# Altium PCB PCB1.PcbDoc
Units mm, origin at the board's own origin, x right, y up, seen from the top; angles counter-clockwise.
Board outline 68.58 x 53.34 mm, 2 copper layers (L1, L2), stack 1.671 mm thick; 106 components, 71 nets, 323 pads, 104 vias.
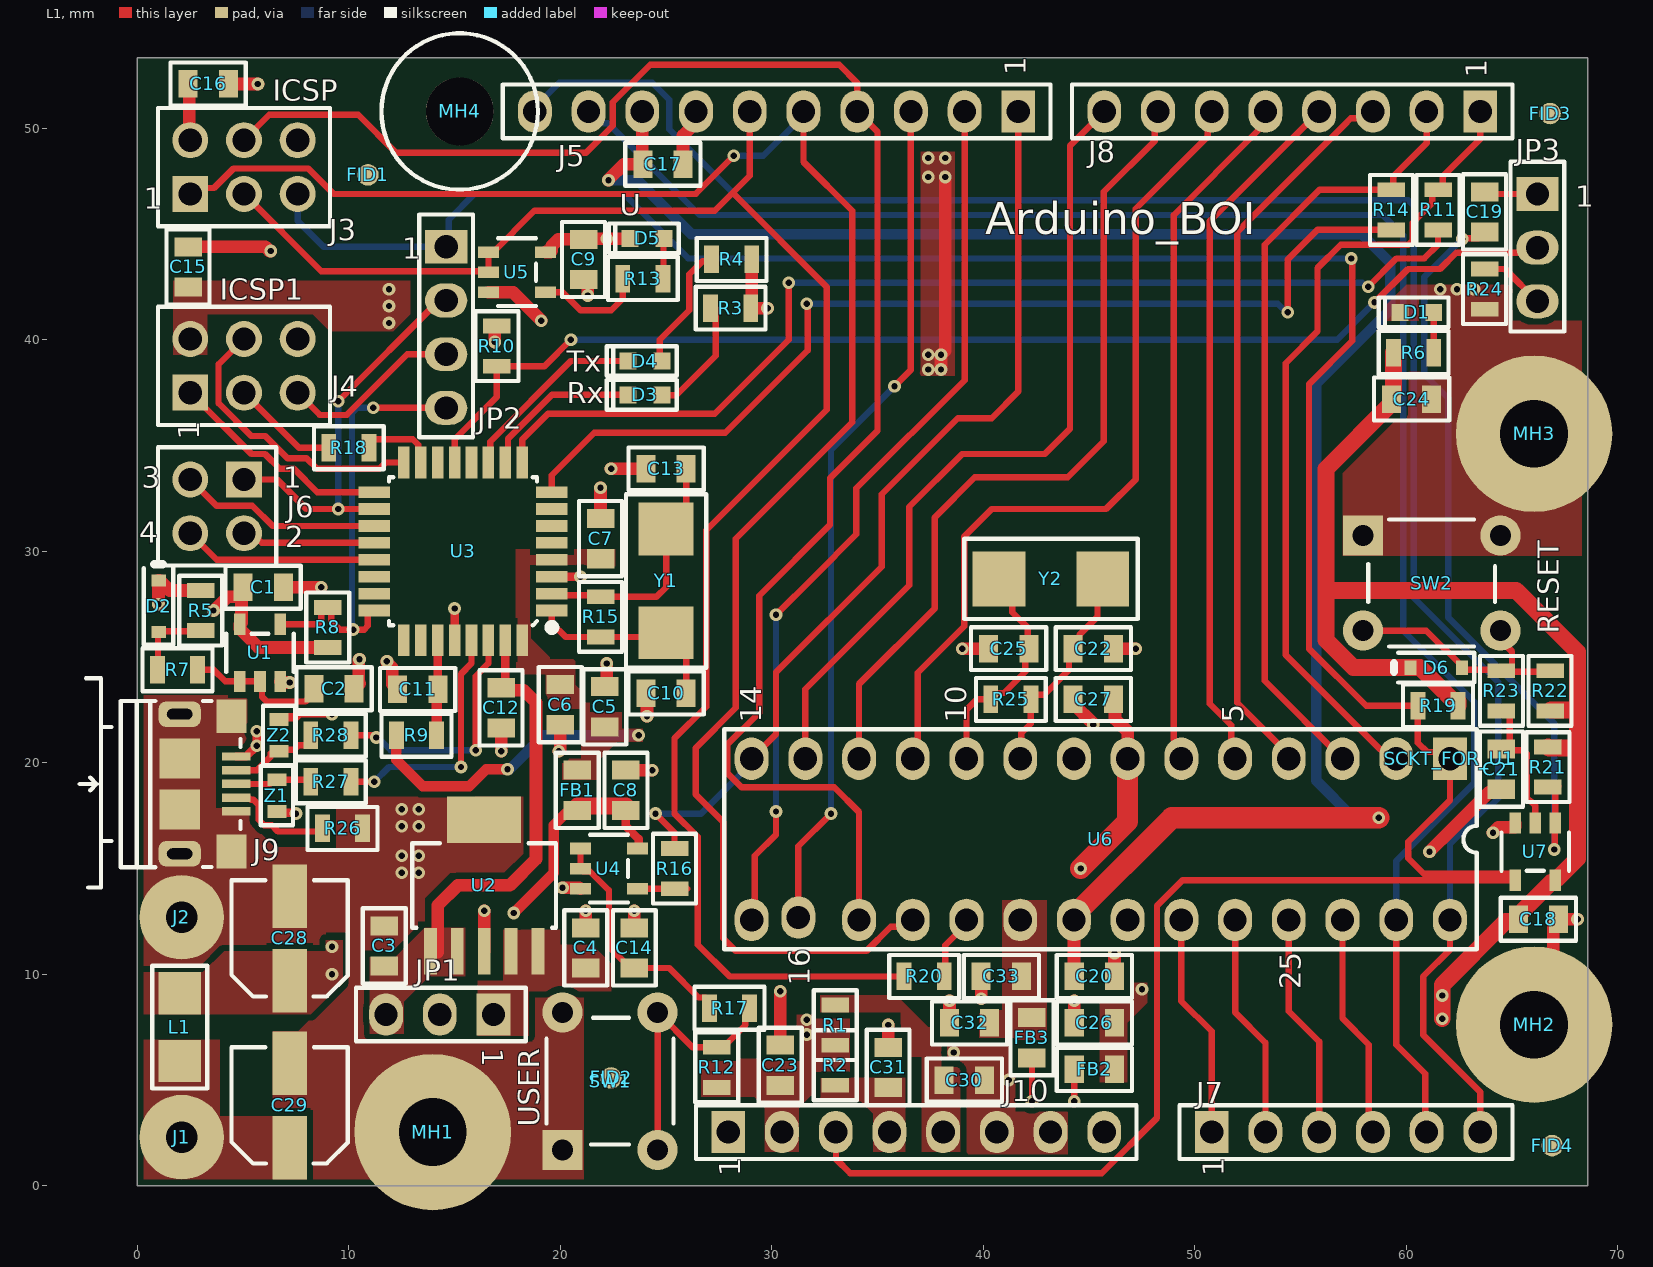
[diagram p0: L1 view]
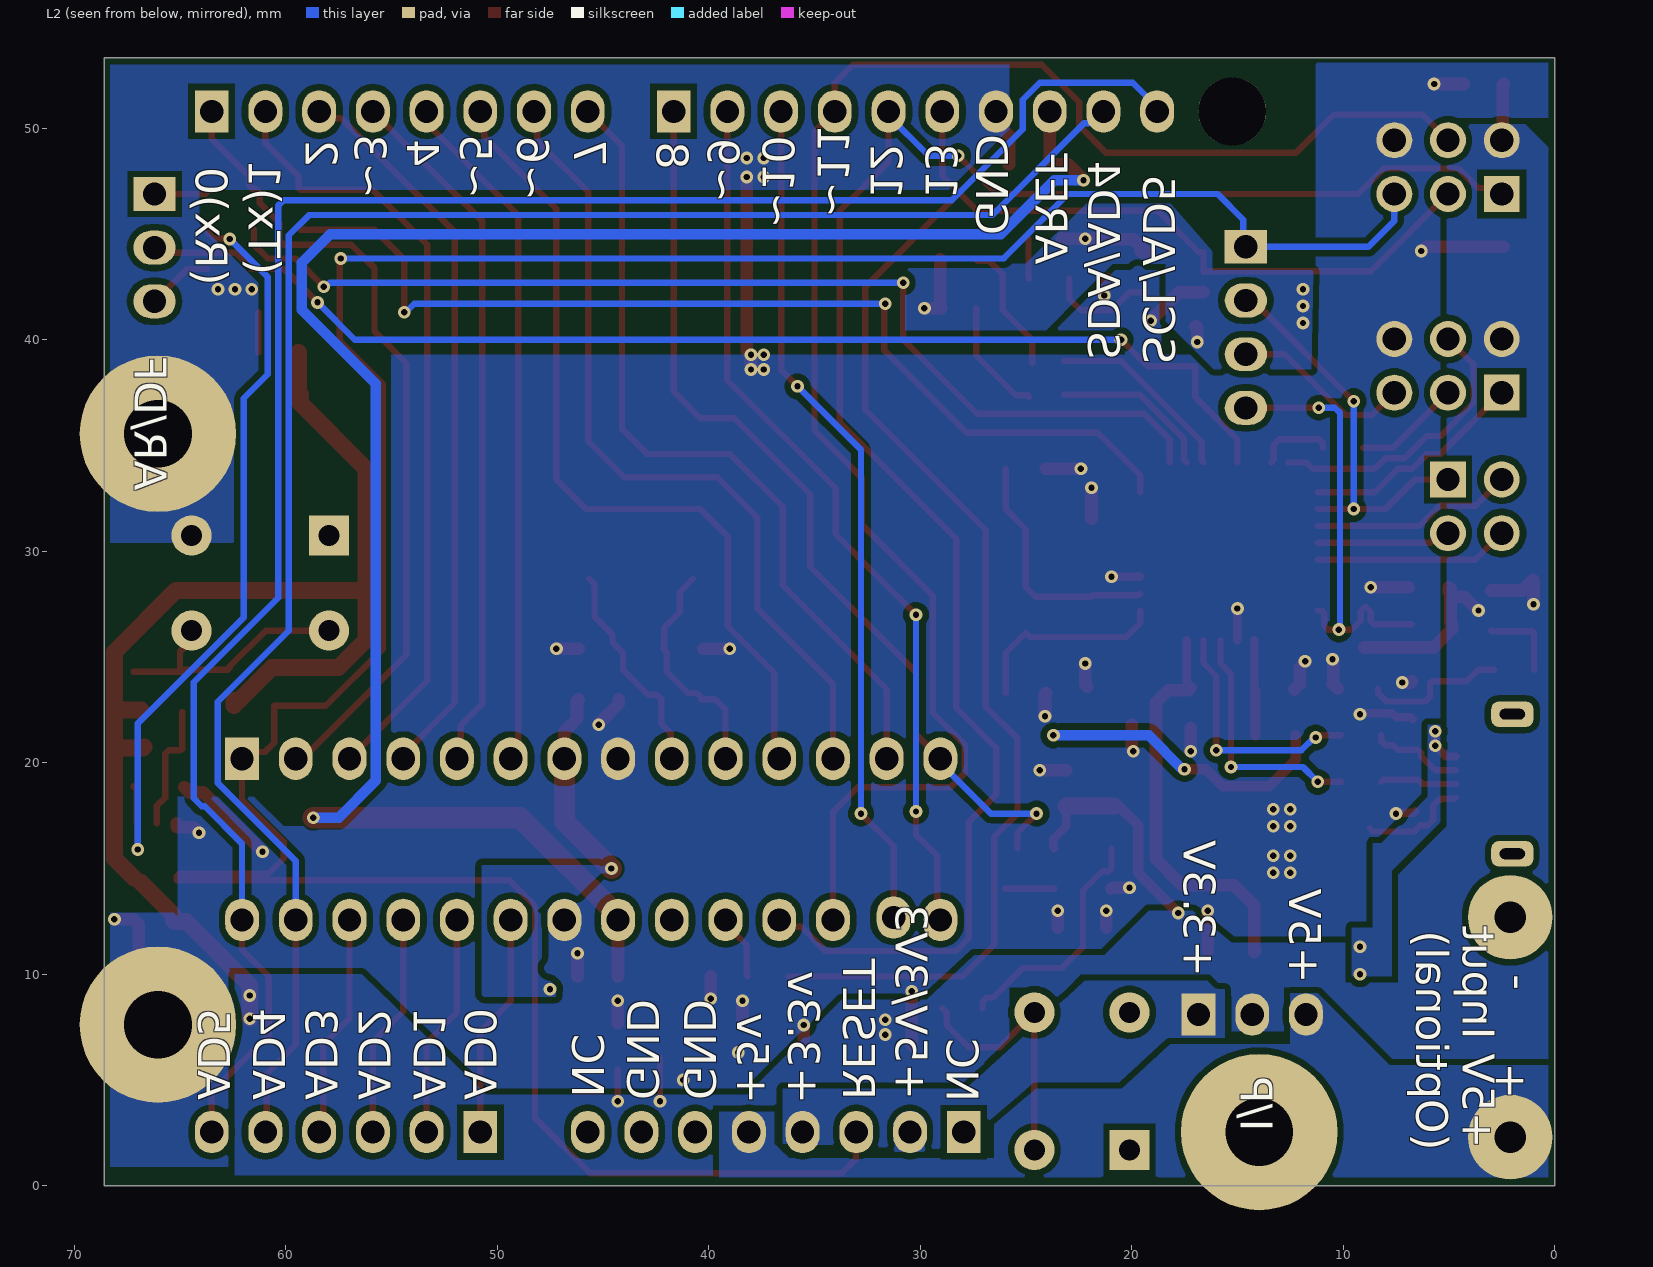
[diagram p1: L2 view, seen from below]
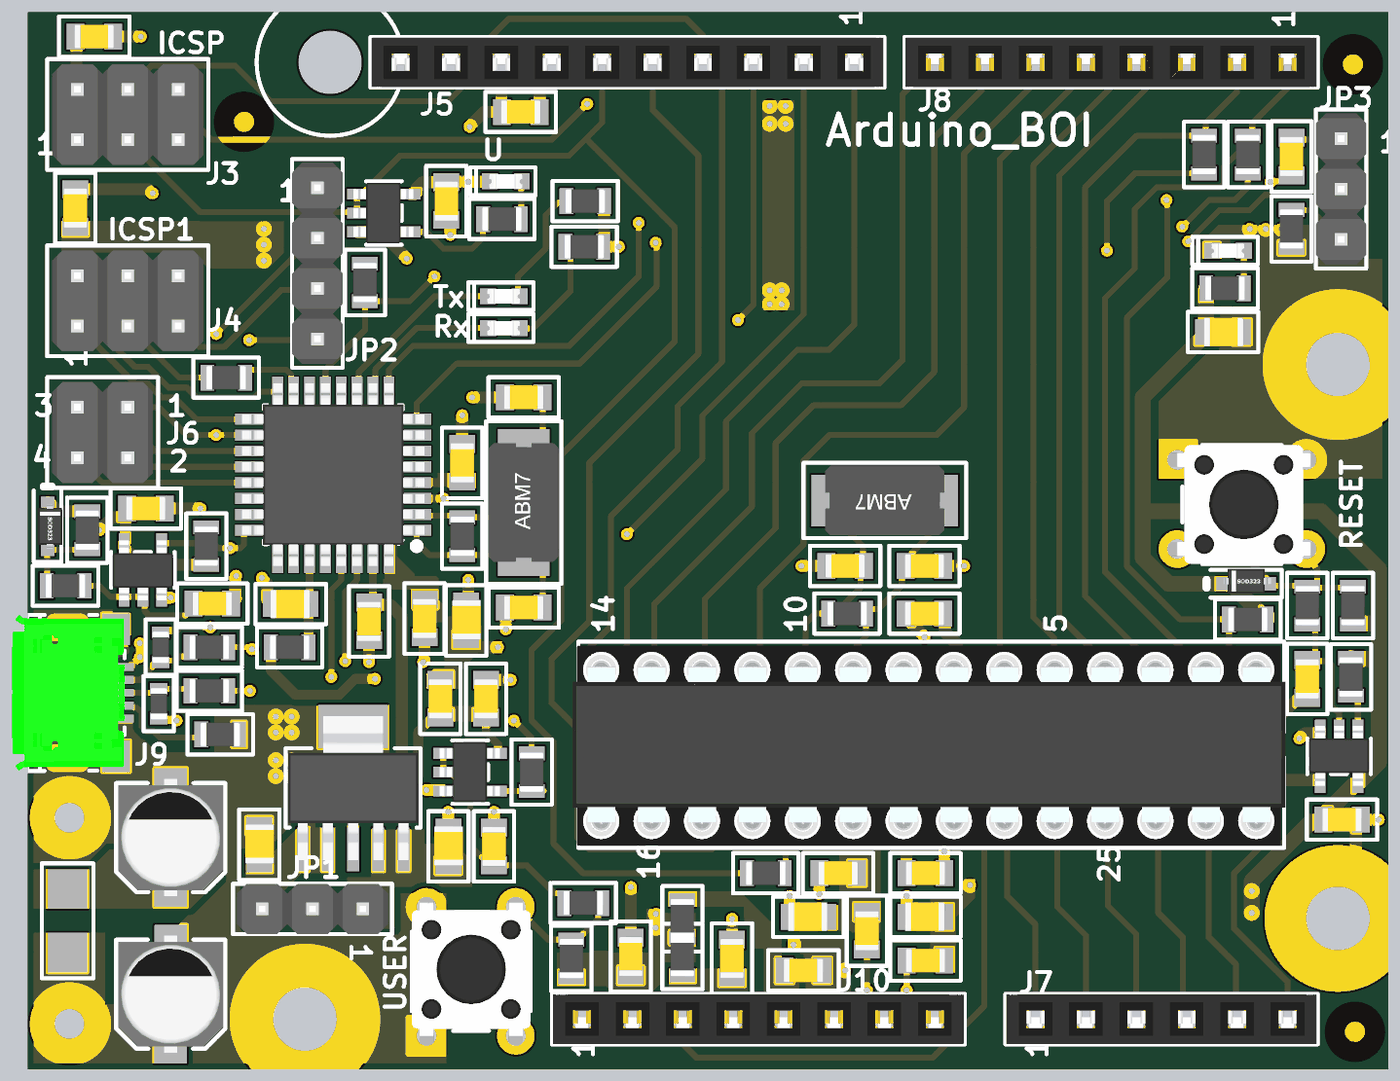
[diagram p2: 3D render of the assembled board from above, using the file's embedded part models]

## Layer stack, top to bottom
Top Solder: solder mask 0.0102, Solder Resist, Dk 3.5
L1: signal copper 0.0356
Dielectric 1: dielectric 1.6, FR-4, Dk 4.8
L2: signal copper 0.0356
Bottom Solder: solder mask 0.0102, Solder Resist, Dk 3.5

## Board outline
0,0 68.58,0 68.58,53.34 0,53.34

## Design rules (kind name [scope] priority, off if disabled: settings)
Clearance polygon_clearance [IsRegion] p1: gap=0.3 ignorepadtopadclearanceinfootprint=FALSE
Clearance [All] p2: gap=0.2 ignorepadtopadclearanceinfootprint=FALSE
ComponentClearance SW1_and_FID2 [InComponent('SW1') vs InComponent('FID2')] p1: gap=0 collisioncheckmode=3 verticalgap=0 showdistances=FALSE
ComponentClearance PowerResistors [InComponent('R1') vs InComponent('R2')] p2: gap=0 collisioncheckmode=3 verticalgap=0 showdistances=FALSE
ComponentClearance MH4_to_FID1_and_J5 [InComponent('MH4') vs InComponent('FID1') or InComponent('J5')] p3: gap=0 collisioncheckmode=3 verticalgap=0 showdistances=FALSE
ComponentClearance DIP_SCKT_to_MH2 [InComponent('SCKT_FOR_U1') vs InComponent('MH2') OR InComponent('U6')] p4: gap=0 collisioncheckmode=3 verticalgap=0 showdistances=FALSE
ComponentClearance MH2_to_J7 [InComponent('MH2') vs InComponent('J7')] p5: gap=0 collisioncheckmode=3 verticalgap=0 showdistances=FALSE
ComponentClearance [All] p6: gap=0.2 collisioncheckmode=3 verticalgap=0.2 showdistances=FALSE
HoleSize [All] p1: absolutevalues=TRUE maxlimit=10 minlimit=0.2 maxpercent=80.000 minpercent=20.000
HoleToHoleClearance [All] p1: gap=0.3 allowstackedmicrovias=TRUE
MinimumSolderMaskSliver [All] p1: minsoldermaskwidth=0.1
PolygonConnect [All] p1: connectstyle=Direct reliefconductorwidth=0.254 reliefentries=4 polygonreliefangle="90 Angle" airgapwidth=0.254
RoutingVias [All] p1: holewidth=0.3 width=0.6 viastyle="Through Hole" minholewidth=0.3 minwidth=0.6 maxholewidth=0.3 maxwidth=0.6
SilkToSilkClearance [All] p1: silktosilkclearance=0.1
SilkToSolderMaskClearance [IsPad] p1: minsilkscreentomaskgap=0.1 clearancetoexposedcopper=TRUE
SolderMaskExpansion [All] p1: expansion=0.1 istentingtop=FALSE
Width [All] p1: maxlimit=1 minlimit=0.3 preferedwidth=0.3
24 further rules are at their usual default settings.

## Components (designator, comment, footprint, x,y, rotation, side; value= is the part's Value field where it differs from the comment)
C1 "100n" C0805_100n 5.95,28.3 r180 top
C2 "100n" C0805_100n 9.3,23.5 r180 top
C3 "10uF/16V" C0805_10U 10.5,12.9 r270 top
C4 "10uF/16V" C0805_10U 20.03,12.807 r270 top
C5 "10uF/16V" C0805_10U 20.93,24.207 r270 top
C6 "100n" C0805_100n 20,22.75 r90 top
C7 "100n" C0805_100n 21.9,30.6 r270 top
C8 "100n" C0805_100n 23.1,18.7 r270 top
C9 "100n" C0805_100n 21.1,43.8 r90 top
C10 "18p" C0805_100n 25,23.3 r0 top
C11 "1uF/25V" C0805_10U 11.7,22.3 r0 top
C12 "100n" C0805_100n 17.2,22.6 r90 top
C13 "18p" C0805_100n 25,33.9 r0 top
C14 "100n" C0805_100n 23.5,11.25 r270 top
C15 "100n" C0805_100n 2.4,43.45 r270 top
C16 "100n" C0805_100n 3.35,52.1 r180 top
C17 "100n" C0805_100n 24.85,48.3 r180 top
C18 "100n" C0805_100n 66.25,12.6 r180 top
C19 "100n" C0805_100n 63.7,46.05 r90 top
C20 "100n" C0805_100n 45.25,9.9 r180 top
C21 "100n" C0805_100n 64.5,19.7 r90 top
C22 "18p" C0805_100n 45.2,25.4 r180 top
C23 "100n" C0805_100n 30.4,5.7 r270 top
C24 "10uF/16V" C0805_10U 61.807,38.37 r180 top
C25 "18p" C0805_100n 41.2,25.4 r0 top
C26 "10uF/16V" C0805_10U 43.693,6.53 r0 top
C27 "100n" C0805_100n 45.2,23 r0 top
C28 "100uF/10V" C_ALU_C_SIZE 7.2,11.7 r90 top
C29 "100uF/10V" C_ALU_C_SIZE 7.2,3.8 r90 top
C30 "100n" C0805_100n 39.1,5 r180 top
C31 "100n" C0805_100n 35.5,5.6 r270 top
C32 "10uF/16V" C0805_10U 37.793,6.53 r0 top
C33 "100n" C0805_100n 40.85,9.9 r0 top
D1 "Green" LED_0603 60.5,41.3 r0 top
D2 "BAT54HT1G" SOD323 1,27.4 r270 top
D3 "Orange" LED_0603 24,37.4 r0 top
D4 "Orange" LED_0603 24,39 r0 top
D5 "Orange" LED_0603 24.1,44.8 r0 top
D6 "BAT54HT1G" SOD323 61.419,24.5 r0 top
FB1 "MPZ2012S601AT000" C0805_100n 20.8,18.7 r90 top
FB2 "MPZ2012S601AT000" C0805_100n 45.25,5.5 r0 top
FB3 "MPZ2012S601AT000" C0805_100n 42.3,7 r90 top
FID1 "FID_1MM" FID_40x120 10.9,47.8 r0 top
FID2 "FID_1MM" FID_40x120 22.4,5.1 r90 top
FID3 "FID_1MM" FID_40x120 66.8,50.7 r90 top
FID4 "FID_1MM" FID_40x120 66.9,1.9 r90 top
J1 "4MMx1.5MM" PAD_WITH_HOLE_4MMx1.5MM 2.1,2.3 r0 top
J2 "4MMx1.5MM" PAD_WITH_HOLE_4MMx1.5MM 2.1,12.7 r0 top
J3 "HDR_2x3" hdr_2x3_2.54mm 2.5,46.9 r90 top locked
J4 "HDR_2x3" hdr_2x3_2.54mm 2.5,37.5 r90 top locked
J5 "HDR_FML_1x10_2,54mm" "hdr_fmale_1x10_2.54mm - duplicate" 41.656,50.8 r270 top
J6 "hdr_2x2_2.54mm" hdr_2x2_2.54mm 5.04,33.4 r270 top locked
J7 "HDR_FML_1x6_2.54mm" hdr_fmale_1x6_2.54mm 50.8,2.54 r90 top
J8 "HDR_FML_1x8_2.54mm" hdr_fmale_1x8_2.54mm 63.5,50.8 r270 top
J9 "10118193-0001LF" 10118193 4.675,20.3 r270 top
J10 "HDR_FML_1x8_2.54mm" hdr_fmale_1x8_2.54mm 27.94,2.54 r90 top
JP1 "68001-203HLF" HDR_1X3_2.54MM 16.84,8.1 r270 top
JP2 "68000-204HLF" HDR_1X4_2.54MM 14.6,44.4 r0 top locked
JP3 "68001-203HLF" HDR_1X3_2.54MM 66.2,46.9 r0 top locked
L1 "2u2/2A" C1210_IND 2,7.5 r270 top
MH1 "MH_7.4MMC_3.2MMD" MH_7.4MMC_3.2MMD 13.97,2.54 r0 top
MH2 "MH_7.4MMC_3.2MMD" MH_7.4MMC_3.2MMD 66.04,7.62 r0 top
MH3 "MH_7.4MMC_3.2MMD" MH_7.4MMC_3.2MMD 66.04,35.56 r0 top
MH4 "MH_7.4MMNC_3.2MMD" MH_7.4MMNC_3.2MMD 15.24,50.8 r0 top
R1 "0R" R0805 33,7.6 r270 top
R2 "0R" R0805 33,5.7 r270 top
R3 "560R" R0805 28.05,41.5 r180 top
R4 "560R" R0805 28.1,43.8 r0 top
R5 "10k" R0805 3,27.2 r90 top
R6 "560R" R0805 60.35,39.4 r180 top
R7 "22R" R0805 1.9,24.4 r0 top
R8 "10k" R0805 9,26.4 r270 top
R9 "0R" R0805 13.2,21.3 r180 top
R10 "100k" R0805 17,39.7 r90 top
R11 "1k" R0805 61.5,46.15 r90 top
R12 "10k" R0805 27.4,5.6 r270 top
R13 "560R" R0805 23.9,42.9 r0 top
R14 "1k" R0805 59.3,46.15 r90 top
R15 "1M" R0805 21.9,26.9 r270 top
R16 "560R" R0805 25.4,15 r90 top
R17 "22R" R0805 28,8.4 r180 top
R18 "22R" R0805 10,34.9 r0 top
R19 "10k" R0805 61.5,22.7 r0 top
R20 "22R" R0805 37.2,9.9 r180 top
R21 "10k" R0805 66.7,19.8 r90 top
R22 "10k" R0805 66.8,23.4 r270 top
R23 "22R" R0805 64.5,23.4 r270 top
R24 "1k" R0805 63.7,42.4 r90 top
R25 "1M" R0805 41.3,23 r0 top
R26 "0R" R0805 9.7,16.9 r0 top
R27 "22R" R0805 9.15,19.1 r0 top
R28 "22R" R0805 9.15,21.3 r0 top
SCKT_FOR_U1 "28_PIN_DIP_SCKT" 28_DIP_7.26MM_SCKT 62.065,20.193 r270 top
SW1 "1825910-6" 1825910-6 22.35,4.95 r180 top
SW2 "1825910-6" 1825910-6 61.2,28.5 r90 top
U1 "SN74AHC1G09DBVR" DBV_SOT_23_5 5.8,25.2 r90 top
U2 "TL1963A-33DCQR" "DCQ (R-PDSO-G6)" 16.4,14.2 r90 top
U3 "ATMEGA16U2-AU" TQFP32 15.4,30 r180 top locked
U4 "SN74AHC1G09DBVR" DBV_SOT_23_5 22.3,15 r0 top
U5 "SN74AHC1G09DBVR" DBV_SOT_23_5 17.95,43.2 r0 top
U6 "ATMEGA328P-PU" DIP28 62.065,20.193 r270 top locked
U7 "SN74AHC1G09DBVR" DBV_SOT_23_5 66.1,15.8 r270 top
Y1 "ABM7-16.000MHZ-D2Y-T" ABM7_v1_1_BIG 25,28.6 r270 top
Y2 "ABM7-16.000MHZ-D2Y-T" ABM7_v1_1_BIG 43.2,28.7 r0 top
Z1 "CG0603MLC-05E" R0603 6.6,18.45 r90 top
Z2 "CG0603MLC-05E" R0603 6.7,21.3 r270 top

## Footprints (in the part's own frame and the unit in brackets; to place one, negate y for a bottom-side part, rotate by r counter-clockwise, add the part's x,y. Pads: shape width x height; smd on the part's side, far side on the other; paste and mask are expansions set on the pad)
28_DIP_7.26MM_SCKT [mm]
  body extent -1.2,-34.4 8.9,1.1, height 4.2
1825910-6 [mm]
  rect 1.9x1.9 hole 1: 1(2.25,3.25)
  round 1.9 hole 1: 2(2.25,-3.25) 3(-2.25,3.25) 4(-2.25,-3.25)
  silkscreen extent -3,-3 3,3, body extent -3,-4 3,3.8, height 5
10118193 [mm]
  rect 0.4x1.34 smd mask+0.05: 1(0,0) 2(0.65,0) 3(1.3,0) 4(1.95,0) 5(2.6,0)
  rect 1.6x1.4 smd: 6(-1.9,-0.225) 7(4.5,-0.225)
  rrect60% 1.2x2 hole 0.5 slot 1.2 at 90 deg: 8(-2,-2.675) 9(4.6,-2.675)
  rect 1.9x1.9 smd: 10(0.1,-2.675) 11(2.5,-2.675)
  silkscreen extent -3.7,-7.4 6.2,0.2, body extent -2.63,-5.46 5.23,0.2, height 2.82
ABM7_v1_1_BIG [mm]
  rect 2.5x2.6 smd: 1(-2.45,0) 2(2.45,0)
  silkscreen extent -4.1,-1.9 4.1,1.9, body extent -3,-1.75 2.99,1.75, height 1.41
C0805_10U [mm]
  rect 0.9x1.3 smd: 1(0.607,1.17) 2(2.507,1.17)
  silkscreen extent -0.22,0.15 3.34,2.19, body extent 0.52,0.46 2.52,1.91, height 1.21
C0805_100n [mm]
  rect 0.9x1.3 smd: 1(-0.95,0) 2(0.95,0)
  silkscreen extent -1.78,-1.02 1.78,1.02, body extent -1,-0.6 1,0.6, height 0.95
C1210_IND [mm]
  rect 2x2 smd: 1(-1.6,0) 2(1.6,0)
  silkscreen extent -2.9,-1.3 2.9,1.3, body extent -1.7,-0.75 1.8,0.75, height 2.7
C_ALU_C_SIZE [mm]
  rect 3x1.63 smd: 1(-2,0) 2(2,0)
  silkscreen extent -2.75,-2.75 2.75,2.75, body extent -2.95,-2.65 2.95,2.65, height 5.41
DBV_SOT_23_5 [mm]
  rect 1x0.55 smd: 1(-1.35,0.95) 2(-1.35,0) 3(-1.35,-0.95) 4(1.35,-0.95) 5(1.35,0.95)
  silkscreen extent -0.9,-1.6 0.9,1.6, body extent -1.54,-1.53 1.49,1.53, height 1.61
"DCQ (R-PDSO-G6)" [mm]
  rect 2.2x0.6 smd: 1(-3.1,2.54) 2(-3.1,1.27) 3(-3.1,0) 4(-3.1,-1.27) 5(-3.1,-2.54)
  rect 2.2x3.5 smd: 6(3.1,0)
  silkscreen extent -2,-3.4 2,3.4, body extent -3.63,-3.27 3.63,3.27, height 1.8
DIP28 [mm]
  rect 2x1.6 hole 1.1: 1(0,0)
  oval 2x1.6 hole 1.1: 2(0,-2.54) 3(0,-5.08) 4(0,-7.62) 5(0,-10.16) 6(0,-12.7) 7(0,-15.24) 8(0,-17.78) 9(0,-20.32) 10(0,-22.86) 11(0,-25.4) 12(0,-27.94) 13(0,-30.48) 14(0,-33.02) 15(7.62,-33.02) 16(7.51,-30.81) 17(7.62,-27.94) 18(7.62,-25.4) 19(7.62,-22.86) 20(7.62,-20.32) 21(7.62,-17.78) 22(7.62,-15.24) 23(7.62,-12.7) 24(7.62,-10.16) 25(7.62,-7.62) 26(7.62,-5.08) 27(7.62,-2.54) 28(7.62,0)
  silkscreen extent -1.39,-34.31 9.01,1.27, body extent -0.13,-34.61 7.75,1.33, height 7.55
FID_40x120 [mil]
  round 40 smd paste-1574.8 mask+40: 1(0,0)
HDR_1X3_2.54MM [mm]
  rect 2x1.6 hole 1.1: 1(0,0)
  oval 2x1.6 hole 1.1: 2(0,-2.54) 3(0,-5.08)
  silkscreen extent -1.27,-6.5 1.27,1.52, body extent -1.27,-6.3 1.27,1.32, height 8.65
HDR_1X4_2.54MM [mm]
  rect 2x1.6 hole 1.1: 1(0,0)
  oval 2x1.6 hole 1.1: 2(0,-2.54) 3(0,-5.08) 4(0,-7.62)
  silkscreen extent -1.27,-9 1.27,1.52, body extent -1.27,-8.82 1.27,1.34, height 8.35
hdr_2x2_2.54mm [mm]
  rect 1.7x1.7 hole 1.1: 1(0,0)
  round 1.7 hole 1.1: 2(2.54,0) 3(0,-2.54) 4(2.54,-2.54)
  silkscreen extent -1.52,-4.06 4.06,1.52, body extent -1.27,-3.81 3.81,1.27, height 11.05
hdr_2x3_2.54mm [mm]
  rect 1.7x1.7 hole 1.1: 1(0,0)
  round 1.7 hole 1.1: 2(2.54,0) 3(0,-2.54) 4(2.54,-2.54) 5(0,-5.08) 6(2.54,-5.08)
  silkscreen extent -1.52,-6.6 4.06,1.52, body extent -1.27,-6.35 3.81,1.27, height 7.75
hdr_fmale_1x6_2.54mm [mm]
  rect 2x1.6 hole 1.1: 1(0,0)
  oval 2x1.6 hole 1.1: 2(0,-2.54) 3(0,-5.08) 4(0,-7.62) 5(0,-10.16) 6(0,-12.7)
  silkscreen extent -1.27,-14.22 1.27,1.52, body extent -1.25,-14.17 1.25,1.47, height 8.31
hdr_fmale_1x8_2.54mm [mm]
  rect 2x1.6 hole 1.1: 1(0,0)
  oval 2x1.6 hole 1.1: 2(0,-2.54) 3(0,-5.08) 4(0,-7.62) 5(0,-10.16) 6(0,-12.7) 7(0,-15.24) 8(0,-17.78)
  silkscreen extent -1.27,-19.3 1.27,1.52, body extent -1.25,-19.25 1.25,1.47, height 8.31
"hdr_fmale_1x10_2.54mm - duplicate" [mm]
  rect 2x1.6 hole 1.1: 1(0,0)
  oval 2x1.6 hole 1.1: 2(0,-2.54) 3(0,-5.08) 4(0,-7.62) 5(0,-10.16) 6(0,-12.7) 7(0,-15.24) 8(0,-17.78) 9(0,-20.32) 10(0,-22.86)
  silkscreen extent -1.27,-24.38 1.27,1.52, body extent -1.25,-24.33 1.25,1.47, height 8.31
LED_0603 [mm]
  rect 0.8x0.8 smd: 1(-0.8,0) 2(0.8,0)
  silkscreen extent -1.8,-0.7 1.5,0.7, body extent -0.83,-0.37 0.82,0.36, height 0.68
MH_7.4MMC_3.2MMD [mm]
  round 7.4 hole 3.2: 1(0,0)
MH_7.4MMNC_3.2MMD [mm]
  round 3.2 hole 3.2 unplated: 1(0,0)
  silkscreen extent -3.7,-3.7 3.7,3.7
PAD_WITH_HOLE_4MMx1.5MM [mm]
  round 4 hole 1.5: 1(0,0)
R0603 [mm]
  rect 0.6x0.9 smd: 1(-0.75,0) 2(0.75,0)
  silkscreen extent -1.4,-0.76 1.4,0.76, body extent -0.8,-0.42 0.8,0.42, height 0.81
R0805 [mm]
  rect 0.7x1.3 smd: 1(-0.95,0) 2(0.95,0)
  silkscreen extent -1.65,-1.02 1.65,1.02, body extent -1,-0.6 1,0.6, height 0.71
SOD323 [mil]
  rect 22x27 smd: 1(-48,0) 2(48,0)
  silkscreen extent -79,-28 71,28, body extent -49,-20 49,30, height 35
TQFP32 [mm]
  rect 1.5x0.55 smd mask+0.06: 1(-4.2,2.8) 2(-4.2,2) 3(-4.2,1.2) 4(-4.2,0.4) 5(-4.2,-0.4) 6(-4.2,-1.2) 7(-4.2,-2) 8(-4.2,-2.8) 17(4.2,-2.8) 18(4.2,-2) 19(4.2,-1.2) 20(4.2,-0.4) 21(4.2,0.4) 22(4.2,1.2) 23(4.2,2) 24(4.2,2.8)
  rect 0.55x1.5 smd mask+0.06: 9(-2.8,-4.2) 10(-2,-4.2) 11(-1.2,-4.2) 12(-0.4,-4.2) 13(0.4,-4.2) 14(1.2,-4.2) 15(2,-4.2) 16(2.8,-4.2) 25(2.8,4.2) 26(2,4.2) 27(1.2,4.2) 28(0.4,4.2) 29(-0.4,4.2) 30(-1.2,4.2) 31(-2,4.2) 32(-2.8,4.2)
  silkscreen extent -4.3,-3.5 3.5,3.7, body extent -4.6,-4.6 4.6,4.6, height 1.2

## Part data
C1 C8 C9 C18 C19: library part capacitor_100n, "Multilayer Ceramic Capacitor, 0.1 uF, 50 V, ± 10%, X7R, 0805 [2012 Metric]", Capacitance=100nF, Case Code (Imperial)=0805, Case Code (Metric)=2012, Dielectric=X7R, Dielectric Material=Ceramic, Manufacturer=TDK, Manufacturer Part Number=C2012X7R1H104K085AA, Max Operating Temperature=125°C, Min Operating Temperature=-55°C, Package Quantity=1, Tolerance=10%, Voltage=50V, Case/Package=0805, Category="Ceramic Capacitors", ComponentLink1Description=https://datasheet.ciiva.com/11788/0900766b80c1bb00-11788128.pdf?src-supplier=Rs, ComponentLink1URL=https://datasheet.ciiva.com/11788/0900766b80c1bb00-11788128.pdf?src-supplier=Rs, ComponentLink2Description=https://datasheet.ciiva.com/23803/1796654-23803035.pdf?src-supplier=Newark, ComponentLink2URL=https://datasheet.ciiva.com/23803/1796654-23803035.pdf?src-supplier=Newark, ComponentLink3Description=https://datasheet.ciiva.com/28602/1571323-28602204.pdf?src-supplier=Element14, ComponentLink3URL=https://datasheet.ciiva.com/28602/1571323-28602204.pdf?src-supplier=Element14, ComponentLink4Description=https://datasheet.ciiva.com/6250/tdkmlcccaprange-6250821.pdf?src-supplier=Digi-Key, ComponentLink4URL=https://datasheet.ciiva.com/6250/tdkmlcccaprange-6250821.pdf?src-supplier=Digi-Key, ComponentLink5Description=https://datasheet.ciiva.com/6250/tdkmlcccaprange-6250824.pdf?src-supplier=Digi-Key, ComponentLink5URL=https://datasheet.ciiva.com/6250/tdkmlcccaprange-6250824.pdf?src-supplier=Digi-Key, ComponentLink6Description=https://datasheet.ciiva.com/24191/e412-c-24191447.pdf?src-supplier=Future+Electronics, ComponentLink6URL=https://datasheet.ciiva.com/24191/e412-c-24191447.pdf?src-supplier=Future+Electronics, Depth=1.25mm, Height=0.85mm, Lead Free="Lead Free", Length=2mm, Material=4241ConductorMaterial, Mount="Surface Mount", Number of Pins=2, Packaging="Tape and Reel", Pricing 1="4000=0.0215, 8000=0.018, 12000=0.017, 28000=0.016, 100000=0.0129, 200000=0.0128, 400000=0.0125 (USD)", Reach SVHC Compliant=No, RoHS=Yes, RoHS Compliant=Yes, Series=C, Stock 1=84000, Supplier 1="Arrow Electronics", Supplier Part Number 1=C2012X7R1H104K085AA, Termination=SMD/SMT, Thickness=0.037inch, Voltage Rating=50V, Width=0.049inch
C2 C6 C7 C12 C14 C15 C16 C17 C20 C21 C23 C27 C30 C31 C33: library part C2012X7R1H104K085AA, "Multilayer Ceramic Capacitor, 0.1 uF, 50 V, ± 10%, X7R, 0805 [2012 Metric]", Capacitance=100nF, Case Code (Imperial)=0805, Case Code (Metric)=2012, Dielectric=X7R, Dielectric Material=Ceramic, Manufacturer=TDK, Max Operating Temperature=125°C, Min Operating Temperature=-55°C, Package Quantity=1, Tolerance=10%, Voltage=50V, Case/Package=0805, Category="Ceramic Capacitors", ComponentLink1Description=https://datasheet.ciiva.com/11788/0900766b80c1bb00-11788128.pdf?src-supplier=Rs, ComponentLink1URL=https://datasheet.ciiva.com/11788/0900766b80c1bb00-11788128.pdf?src-supplier=Rs, ComponentLink2Description=https://datasheet.ciiva.com/23803/1796654-23803035.pdf?src-supplier=Newark, ComponentLink2URL=https://datasheet.ciiva.com/23803/1796654-23803035.pdf?src-supplier=Newark, ComponentLink3Description=https://datasheet.ciiva.com/28602/1571323-28602204.pdf?src-supplier=Element14, ComponentLink3URL=https://datasheet.ciiva.com/28602/1571323-28602204.pdf?src-supplier=Element14, ComponentLink4Description=https://datasheet.ciiva.com/6250/tdkmlcccaprange-6250821.pdf?src-supplier=Digi-Key, ComponentLink4URL=https://datasheet.ciiva.com/6250/tdkmlcccaprange-6250821.pdf?src-supplier=Digi-Key, ComponentLink5Description=https://datasheet.ciiva.com/6250/tdkmlcccaprange-6250824.pdf?src-supplier=Digi-Key, ComponentLink5URL=https://datasheet.ciiva.com/6250/tdkmlcccaprange-6250824.pdf?src-supplier=Digi-Key, ComponentLink6Description=https://datasheet.ciiva.com/24191/e412-c-24191447.pdf?src-supplier=Future+Electronics, ComponentLink6URL=https://datasheet.ciiva.com/24191/e412-c-24191447.pdf?src-supplier=Future+Electronics, Depth=1.25mm, Height=0.85mm, Lead Free="Lead Free", Length=2mm, Manufacturer Part Number=C2012X7R1H104K085AA, Material=4241ConductorMaterial, Mount="Surface Mount", Number of Pins=2, Packaging="Tape and Reel", Pricing 1="4000=0.0215, 8000=0.018, 12000=0.017, 28000=0.016, 100000=0.0129, 200000=0.0128, 400000=0.0125 (USD)", Reach SVHC Compliant=No, RoHS=Yes, RoHS Compliant=Yes, Series=C, Stock 1=84000, Supplier 1="Arrow Electronics", Supplier Part Number 1=C2012X7R1H104K085AA, Termination=SMD/SMT, Thickness=0.037inch, Voltage Rating=50V, Width=0.049inch